# KiCad board radioboard_original.kicad_pcb (continued)
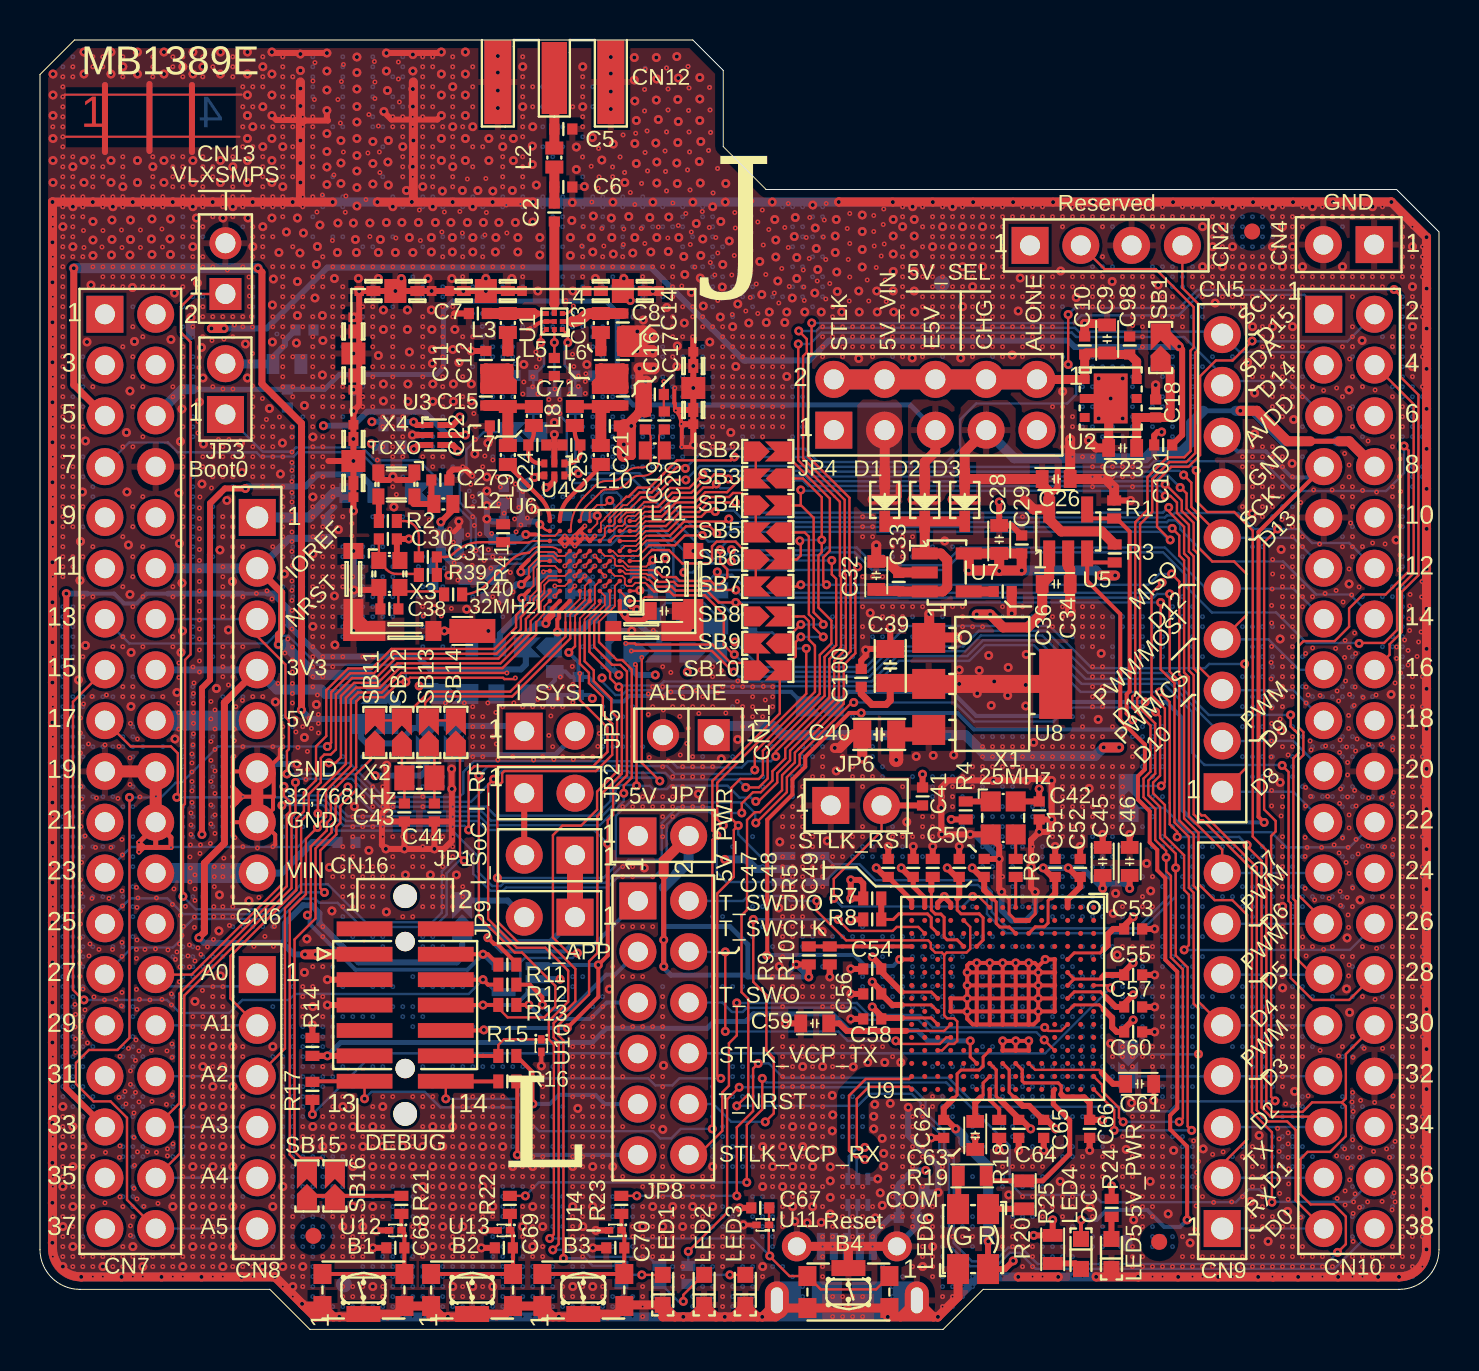
[diagram p0: board, top side]
## Routing (per net, layer and track width the routed paths; a pad name or vN(x,y) marks a point on that pad's centre or on a via; arc(x,y) is an arc through that point) (continued)
v3(19.14,17.64) v3(19.14,17.14) v3(19.14,15.64) v3(19.14,15.14) v3(19.14,13.14) v3(19.14,12.64) v3(19.14,11.14) v3(19.14,10.14) v3(19.14,9.64) v3(19.14,8.64) v3(19.14,8.14) v3(19.14,7.64) v3(19.14,6.64) v3(19.14,6.14) v3(19.14,5.64) v3(19.14,4.64) v3(19.14,4.14) v3(19.14,3.64) v3(19.14,3.14) v3(19.14,2.64) v3(19.14,2.14) v3(19.14,1.64) v3(19.14,1.14) v3(19.14,0.64) v3(19.64,63.64) v3(19.64,63.14) v3(19.64,62.14) v3(19.64,61.14) v3(19.64,60.14) v3(19.64,59.14) v3(19.64,58.64) v3(19.64,58.14) v3(19.64,57.64) v3(19.64,57.14) v3(19.64,56.64) v3(19.64,44.64) v3(19.64,44.14) v3(19.64,43.64) v3(19.64,40.64) v3(19.64,36.64) v3(19.64,27.64) v3(19.64,27.14) v3(19.64,22.14) v3(19.64,21.64) v3(19.64,21.14) v3(19.64,19.64) v3(19.64,19.14) v3(19.64,17.64) v3(19.64,17.14) v3(19.64,15.14) v3(19.64,12.64) v3(19.64,12.14) v3(19.64,10.64) v3(19.64,9.64) v3(19.64,9.14) v3(19.64,8.64) v3(19.64,7.64) v3(19.64,7.14) v3(19.64,6.64) v3(19.64,5.64) v3(19.64,5.14) v3(19.64,4.64) v3(19.64,3.64) v3(19.64,3.14) v3(19.64,2.64) v3(19.64,2.14) v3(19.64,1.64) v3(19.64,1.14) v3(19.64,0.64) v3(20.14,60.14) v3(20.14,56.14) v3(20.14,54.64) v3(20.14,54.14) v3(20.14,53.64) v3(20.14,52.14) v3(20.14,51.64) v3(20.14,47.14) v3(20.14,46.64) v3(20.14,46.14) v3(20.14,45.64) v3(20.14,44.14) v3(20.14,43.64) v3(20.14,43.14) v3(20.23,38.07) v3(20.14,37.14) v3(20.14,34.14) v3(20.14,27.64) v3(20.14,27.14) v3(20.14,23.64) v3(20.14,19.14) v3(20.14,17.64) v3(20.14,17.14) v3(20.14,16.14) v3(20.14,15.14) v3(20.14,12.14) v3(20.14,10.64) v3(20.14,10.14) v3(20.14,9.64) v3(20.14,8.64) v3(20.14,8.14) v3(20.14,7.64) v3(20.14,6.64) v3(20.14,6.14) v3(20.14,5.64) v3(20.14,4.64) v3(20.14,4.14) v3(20.14,3.64) v3(20.14,3.14) v3(20.14,2.64) v3(20.14,2.14) v3(20.14,1.64) v3(20.14,1.14) v3(20.64,63.64) v3(20.64,63.14) v3(20.64,62.64) v3(20.64,61.64) v3(20.64,61.14) v3(20.64,60.64) v3(20.64,59.64) v3(20.64,59.14) v3(20.64,58.64) v3(20.64,57.64) v3(20.64,57.14) v3(20.64,45.14) v3(20.64,43.14) v3(20.64,42.64) v3(20.64,34.64) v3(20.64,34.14) v3(20.64,33.64) v3(20.64,17.64) v3(20.64,17.14) v3(20.64,16.14) v3(20.64,15.14) v3(20.64,13.14) v3(20.64,10.64) v3(20.64,9.64) v3(20.64,9.14) v3(20.64,8.64) v3(20.64,7.64) v3(20.64,7.14) v3(20.64,6.64) v3(20.64,5.64) v3(20.64,5.14) v3(20.64,4.64) v3(20.64,3.64) v3(20.64,3.14) v3(20.64,2.64) v3(20.64,1.64) v3(20.64,1.14) v3(21.1,50.8) v3(21.14,60.14) v3(21.14,56.14) v3(21.14,54.64) v3(21.14,54.14) v3(21.14,53.64) v3(21.14,52.64) v3(21.14,49.64) v3(21.14,49.14) v3(21.14,47.64) v3(21.14,46.64) v3(21.14,36.64) v3(21.14,35.14) v3(21.14,17.64) v3(21.14,17.14) v3(21.14,16.14) v3(21.14,15.14) v3(21.14,13.14) v3(21.14,10.64) v3(21.14,10.14) v3(21.14,9.64) v3(21.14,8.64) v3(21.14,8.14) v3(21.14,7.64) v3(21.14,6.64) v3(21.14,6.14) v3(21.14,5.64) v3(21.14,4.64) v3(21.14,4.14) v3(21.14,3.64) v3(21.14,3.14) v3(21.14,2.64) v3(21.14,2.14) v3(21.14,1.64) v3(21.14,1.14) v3(21.14,0.64) v3(21.48,41.92) v3(21.62,50.8) v3(21.64,63.14) v3(21.64,62.14) v3(21.64,61.14) v3(21.64,59.14) v3(21.64,58.14) v3(21.64,56.64) v3(21.64,52.14) v3(21.64,50.14) v3(21.64,49.64) v3(21.64,48.14) v3(21.73,41.4) v3(21.64,36.64) v3(21.64,17.64) v3(21.64,16.14) v3(21.64,15.14) v3(21.64,13.14) v3(21.64,10.64) v3(21.64,9.64) v3(21.64,9.14) v3(21.64,8.64) v3(21.64,7.64) v3(21.64,7.14) v3(21.64,6.64) v3(21.64,5.64) v3(21.64,5.14) v3(21.64,4.64) v3(21.64,3.64) v3(21.64,3.14) v3(21.64,2.64) v3(21.64,1.64) v3(21.64,1.14) v3(21.64,0.64) v3(21.83,42.45) v3(22.12,50.8) v3(22.12,50.15) v3(22.14,59.14) v3(22.14,56.14) v3(22.14,54.64) v3(22.14,54.14) v3(22.14,53.64) v3(22.15,49.65) v3(22.14,49.14) v3(22.14,48.64) v3(22.14,48.14) v3(22.14,47.64) v3(22.14,47.14) v3(22.14,46.64) v3(22.14,13.14) v3(22.14,10.64) v3(22.14,10.14) v3(22.14,9.64) v3(22.14,8.64) v3(22.14,8.14) v3(22.14,7.64) v3(22.14,6.64) v3(22.14,6.14) v3(22.14,5.64) v3(22.14,3.14) v3(22.14,2.64) v3(22.14,2.14) v3(22.14,1.64) v3(22.14,1.14) v3(22.14,0.64) v3(22.65,50.8) v3(22.67,50.15) v3(22.65,49.65) v3(22.64,49.14) v3(22.64,48.64) v3(22.64,48.14) v3(22.64,47.64) v3(22.64,47.14) v3(22.64,46.64) v3(22.64,43.64) v3(22.64,13.14) v3(22.64,10.64) v3(22.64,9.64) v3(22.64,9.14) v3(22.64,8.64) v3(22.64,7.64) v3(22.64,7.14) v3(22.64,6.64) v3(22.64,5.64) v3(22.64,4.64) v3(22.64,4.14) v3(22.64,3.64) v3(22.64,3.14) v3(22.64,2.64) v3(22.64,1.64) v3(22.64,1.14) v3(22.64,0.64) v3(23.12,50.8) v3(23.14,59.64) v3(23.14,58.64) v3(23.14,58.14) v3(23.14,57.64) v3(23.14,57.14) v3(23.14,56.64) v3(23.14,56.14) v3(23.14,54.14) v3(23.14,52.14) v3(23.14,50.14) v3(23.14,49.64) v3(23.14,49.14) v3(23.14,48.64) v3(23.14,48.14) v3(23.14,47.64) v3(23.14,47.14) v3(23.14,46.64) v3(23.14,43.64) v3(23.14,35.64) v3(23.14,13.14) v3(23.14,10.64) v3(23.14,10.14) v3(23.14,9.64) v3(23.14,8.64) v3(23.14,8.14) v3(23.14,7.64) v3(23.14,7.14) v3(23.14,6.64) v3(23.14,6.14) v3(23.14,5.64) v3(23.14,5.14) v3(23.14,4.64) v3(23.14,4.14) v3(23.14,3.64) v3(23.14,3.14) v3(23.14,2.64) v3(23.14,2.14) v3(23.14,1.64) v3(23.14,1.14) v3(23.14,0.64) v3(23.65,50.8) v3(23.64,50.14) v3(23.64,49.64) v3(23.64,49.14) v3(23.64,48.64) v3(23.64,47.14) v3(23.64,46.64) v3(23.64,43.64) v3(23.64,43.14) v3(23.64,36.14) v3(23.64,13.14) v3(23.64,10.64) v3(23.64,10.14) v3(23.64,9.64) v3(23.64,9.14) v3(23.64,7.64) v3(23.64,7.14) v3(23.64,6.64) v3(23.64,6.14) v3(23.64,5.64) v3(23.64,5.14) v3(23.64,4.64) v3(23.64,4.14) v3(23.64,3.64) v3(23.64,3.14) v3(23.64,2.64) v3(23.64,2.14) v3(23.64,1.64) v3(23.64,1.14) v3(23.64,0.64) v3(23.77,48.29) v3(24.14,63.64) v3(24.14,62.64) v3(24.14,62.14) v3(24.14,61.64) v3(24.14,60.64) v3(24.14,60.14) v3(24.14,59.64) v3(24.14,58.64) v3(24.14,58.14) v3(24.14,57.64) v3(24.14,57.14) v3(24.14,56.64) v3(24.14,56.14) v3(24.14,52.64) v3(24.14,52.14) v3(24.15,50.8) v3(24.14,50.14) v3(24.14,43.64) v3(24.14,43.14) v3(24.14,13.14) v3(24.14,10.14) v3(24.14,9.64) v3(24.14,9.14) v3(24.14,8.14) v3(24.14,7.64) v3(24.14,7.14) v3(24.14,6.14) v3(24.14,5.64) v3(24.14,4.64) v3(24.14,4.14) v3(24.14,3.64) v3(24.14,3.14) v3(24.14,2.64) v3(24.14,2.14) v3(24.14,1.64) v3(24.14,1.14) v3(24.14,0.64) v3(24.64,62.14) v3(24.64,61.14) v3(24.65,50.8) v3(24.64,50.14) v3(24.64,43.14) v3(24.64,9.64) v3(24.64,9.14) v3(24.64,7.64) v3(24.64,5.64) v3(24.64,5.14) v3(24.64,4.64) v3(24.64,3.64) v3(24.64,3.14) v3(24.64,2.64) v3(24.64,2.14) v3(24.64,1.64) v3(24.64,1.14) v3(24.64,0.64) v3(25.14,62.14) v3(25.14,61.14) v3(25.14,60.14) v3(25.14,59.14) v3(25.14,56.64) v3(25.14,56.14) v3(25.14,54.14) v3(25.15,50.8) v3(25.14,50.14) v3(25.14,41.64) v3(25.14,11.64) v3(25.14,10.64) v3(25.14,9.14) v3(25.14,8.14) v3(25.14,6.64) v3(25.14,6.14) v3(25.14,5.64) v3(25.14,4.14) v3(25.14,3.64) v3(25.14,3.14) v3(25.14,2.64) v3(25.14,2.14) v3(25.14,1.64) v3(25.14,1.14) v3(25.14,0.64) v3(25.64,63.64) v3(25.64,63.14) v3(25.64,62.64) v3(25.64,61.64) v3(25.64,61.14) v3(25.64,60.64) v3(25.64,59.64) v3(25.64,59.14) v3(25.64,58.64) v3(25.64,57.64) v3(25.64,55.64) v3(25.64,55.14) v3(25.64,54.64) v3(25.64,54.14) v3(25.64,53.64) v3(25.64,52.64) v3(25.64,52.14) v3(25.65,50.8) v3(25.64,50.14) v3(25.64,44.14) v3(25.64,43.64) v3(25.64,41.64) v3(25.64,41.14) v3(25.64,40.64) v3(25.64,40.14) v3(25.64,13.14) v3(25.64,10.64) v3(25.64,9.14) v3(25.64,8.14) v3(25.64,6.64) v3(25.64,6.14) v3(25.64,5.64) v3(25.64,5.14) v3(25.64,3.14) v3(25.64,2.64) v3(25.64,2.14) v3(25.64,1.64) v3(25.64,1.14) v3(26.14,63.14) v3(26.14,62.14) v3(26.14,61.14) v3(26.14,60.14) v3(26.14,59.14) v3(26.14,56.64) v3(26.14,56.14) v3(26.14,55.64) v3(26.14,55.14) v3(26.14,54.14) v3(26.14,52.64) v3(26.14,52.14) v3(26.15,50.8) v3(26.14,50.14) v3(26.14,42.14) v3(26.14,41.64) v3(26.14,16.64) v3(26.14,13.14) v3(26.14,11.14) v3(26.14,10.64) v3(26.14,9.14) v3(26.14,8.14) v3(26.14,6.64) v3(26.14,6.14) v3(26.14,5.64) v3(26.14,5.14) v3(26.14,2.64) v3(26.14,2.14) v3(26.14,1.64) v3(26.14,1.14) v3(26.64,61.14) v3(26.64,52.64) v3(26.65,50.8) v3(26.64,50.14) v3(26.64,41.64) v3(26.64,17.64) v3(26.64,17.14) v3(26.64,13.14) v3(26.64,10.64) v3(26.64,9.14) v3(26.64,6.64) v3(26.64,5.64) v3(26.64,5.14) v3(26.64,3.14) v3(26.64,2.64) v3(26.64,1.64) v3(26.64,1.14) v3(26.64,0.64) v3(27.14,62.64) v3(27.14,62.14) v3(27.14,61.64) v3(27.14,60.64) v3(27.14,60.14) v3(27.14,59.64) v3(27.14,58.64) v3(27.14,57.64) v3(27.14,56.14) v3(27.14,55.64) v3(27.14,55.14) v3(27.14,54.14) v3(27.14,53.64) v3(27.14,52.64) v3(27.14,52.14) v3(27.17,50.8) v3(27.14,50.14) v3(27.14,45.14) v3(27.14,41.64) v3(27.14,38.64) v3(27.14,38.14) v3(27.14,37.64) v3(27.14,37.14) v3(27.14,36.64) v3(27.14,36.14) v3(27.14,34.14) v3(27.14,17.64) v3(27.14,13.14) v3(27.14,10.64) v3(27.14,9.14) v3(27.14,8.14) v3(27.14,6.64) v3(27.14,6.14) v3(27.14,5.64) v3(27.14,3.14) v3(27.14,2.64) v3(27.14,2.14) v3(27.14,1.64) v3(27.14,1.14) v3(27.14,0.64) v3(27.64,62.14) v3(27.64,61.14) v3(27.64,56.64) v3(27.64,55.14) v3(27.65,50.82) v3(27.64,50.14) v3(27.64,49.64) v3(27.64,49.14) v3(27.64,46.64) v3(27.64,46.14) v3(27.64,45.64) v3(27.64,45.14) v3(27.64,44.64) v3(27.64,44.14) v3(27.64,43.64) v3(27.64,43.14) v3(27.64,42.14) v3(27.64,41.64) v3(27.64,38.64) v3(27.64,38.14) v3(27.64,37.64) v3(27.64,37.14) v3(27.64,36.64) v3(27.64,36.14) v3(27.64,34.14) v3(27.64,16.14) v3(27.64,13.14) v3(27.64,11.14) v3(27.64,10.64) v3(27.64,9.14) v3(27.64,6.64) v3(27.64,5.64) v3(27.64,2.64) v3(27.64,1.64) v3(27.64,1.14) v3(27.64,0.64) v3(27.94,59.06) v3(27.97,57.64) v3(28.14,56.64) v3(28.14,56.14) v3(28.14,55.64) v3(28.14,55.14) v3(28.14,53.64) v3(28.14,52.14) v3(28.15,50.8) v3(28.14,50.14) v3(28.14,49.64) v3(28.14,49.14) v3(28.14,48.64) v3(28.14,48.14) v3(28.14,47.14) v3(28.14,46.64) v3(28.14,46.14) v3(28.14,45.64) v3(28.14,45.14) v3(28.14,44.64) v3(28.14,44.14) v3(28.14,43.64) v3(28.14,43.14) v3(28.14,40.14) v3(28.14,38.64) v3(28.14,38.14) v3(28.14,37.64) v3(28.14,37.14) v3(28.14,36.64) v3(28.14,33.64) v3(28.14,33.14) v3(28.14,31.14) v3(28.14,29.64) v3(28.14,29.14) v3(28.14,16.64) v3(28.14,13.14) v3(28.14,10.64) v3(28.14,9.14) v3(28.14,8.14) v3(28.14,6.64) v3(28.14,6.14) v3(28.14,5.64) v3(28.14,4.14) v3(28.14,2.64) v3(28.14,2.14) v3(28.14,1.64) v3(28.14,1.14) v3(28.14,0.64) v3(28.64,58.14) v3(28.64,57.64) v3(28.64,57.14) v3(28.64,55.14) v3(28.64,52.64) v3(28.64,52.14) v3(28.64,46.64) v3(28.64,46.14) v3(28.64,45.64) v3(28.64,45.14) v3(28.64,44.64) v3(28.64,44.14) v3(28.64,43.64) v3(28.64,43.14) v3(28.64,38.64) v3(28.64,38.14) v3(28.64,37.64) v3(28.64,37.14) v3(28.64,36.64) v3(28.64,36.14) v3(28.64,33.64) v3(28.64,33.14) v3(28.64,30.64) v3(28.64,29.64) v3(28.64,29.14) v3(28.64,13.14) v3(28.64,11.64) v3(28.64,10.64) v3(28.64,9.14) v3(28.64,6.64) v3(28.64,6.14) v3(28.64,5.64) v3(28.64,5.14) v3(28.64,4.14) v3(28.64,1.64) v3(28.64,1.14) v3(28.64,0.64) v3(29.02,58.64) v3(29.17,59.74) v3(29.14,56.64) v3(29.14,56.14) v3(29.14,55.14) v3(29.14,54.64) v3(29.14,54.14) v3(29.14,53.64) v3(29.14,46.14) v3(29.14,45.64) v3(29.14,43.14) v3(29.14,42.14) v3(29.14,39.14) v3(29.14,38.64) v3(29.14,37.14) v3(29.14,30.64) v3(29.14,29.64) v3(29.14,29.14) v3(29.14,6.64) v3(29.14,6.14) v3(29.14,5.64) v3(29.14,5.14) v3(29.14,4.14) v3(29.14,1.64) v3(29.14,1.14) v3(29.14,0.64) v3(29.24,57.86) v3(29.64,55.14) v3(29.64,52.14) v3(29.64,50.64) v3(29.64,47.64) v3(29.64,47.14) v3(29.64,44.64) v3(29.64,43.14) v3(29.64,41.64) v3(29.64,41.14) v3(29.64,40.64) v3(29.64,38.64) v3(29.64,31.14) v3(29.64,29.64) v3(29.64,29.14) v3(29.64,6.14) v3(29.64,5.64) v3(29.64,5.14) v3(29.64,4.14) v3(29.64,1.64) v3(29.64,1.14) v3(29.64,0.64) v3(30.09,57.31) v3(30.14,56.64) v3(30.14,56.14) v3(30.14,55.14) v3(30.14,52.64) v3(30.14,52.14) v3(30.14,51.64) v3(30.14,51.14) v3(30.14,46.64) v3(30.14,45.64) v3(30.14,45.14) v3(30.14,44.64) v3(30.14,44.14) v3(30.14,43.64) v3(30.14,43.14) v3(30.14,41.14) v3(30.14,40.64) v3(30.14,29.14) v3(30.14,6.14) v3(30.14,5.64) v3(30.14,4.14) v3(30.14,2.14) v3(30.14,1.64) v3(30.14,1.14) v3(30.14,0.64) v3(30.27,63.06) v3(30.24,62.01) v3(30.24,60.94) v3(30.27,58.86) v3(30.37,59.94) v3(30.39,57.94) v3(30.64,55.14) v3(30.64,51.14) v3(30.64,50.64) v3(30.64,46.64) v3(30.64,45.64) v3(30.64,45.14) v3(30.64,44.64) v3(30.64,44.14) v3(30.64,43.64) v3(30.64,43.14) v3(30.64,40.64) v3(30.64,39.14) v3(30.64,5.64) v3(30.64,5.14) v3(30.64,4.14) v3(30.64,1.64) v3(30.64,1.14) v3(30.64,0.64) v3(31.14,56.14) v3(31.14,55.14) v3(31.14,51.64) v3(31.14,50.64) v3(31.14,50.14) v3(31.14,49.64) v3(31.14,49.14) v3(31.14,48.64) v3(31.14,47.64) v3(31.14,47.14) v3(31.14,46.64) v3(31.14,45.64) v3(31.14,45.14) v3(31.14,44.64) v3(31.14,44.14) v3(31.14,43.64) v3(31.14,43.14) v3(31.14,39.14) v3(31.14,17.14) v3(31.14,16.64) v3(31.14,16.14) v3(31.14,15.64) v3(31.14,14.64) v3(31.14,14.14) v3(31.14,6.14) v3(31.14,5.64) v3(31.14,4.14) v3(31.14,1.64) v3(31.14,1.14) v3(31.14,0.64) v3(31.27,58.94) v3(31.29,57.91) v3(31.34,63.09) v3(31.42,62.04) v3(31.42,60.99) v3(31.34,59.89) v3(31.34,56.94) v3(31.64,55.14) v3(31.64,53.14) v3(31.64,50.64) v3(31.64,50.14) v3(31.64,49.64) v3(31.64,48.64) v3(31.64,47.64) v3(31.64,47.14) v3(31.64,46.64) v3(31.64,45.64) v3(31.64,45.14) v3(31.64,44.64) v3(31.64,44.14) v3(31.64,43.64) v3(31.64,43.14) v3(31.64,5.64) v3(31.64,5.14) v3(31.64,4.14) v3(31.64,3.64) v3(31.64,3.14) v3(31.64,2.64) v3(31.64,2.14) v3(31.64,1.14) v3(31.64,0.64) v3(32.14,56.14) v3(32.14,55.64) v3(32.14,55.14) v3(32.14,54.14) v3(32.14,49.64) v3(32.14,48.64) v3(32.14,47.64) v3(32.14,47.14) v3(32.14,46.64) v3(32.14,45.64) v3(32.14,45.14) v3(32.14,44.64) v3(32.14,44.14) v3(32.14,43.64) v3(32.14,31.14) v3(32.14,6.14) v3(32.14,5.64) v3(32.42,63.16) v3(32.39,57.99) v3(32.47,62.09) v3(32.44,60.96) v3(32.47,59.89) v3(32.49,58.89) v3(32.52,56.99) v3(32.64,54.64) v3(32.64,53.14) v3(32.64,49.64) v3(32.64,49.14) v3(32.64,47.64) v3(32.64,45.64) v3(32.64,45.14) v3(32.64,28.64) v3(32.64,5.64) v3(32.64,5.14) v3(32.64,1.64) v3(32.64,1.14) v3(33.14,56.14) v3(33.14,55.64) v3(33.14,53.14) v3(33.14,49.14) v3(33.14,48.64) v3(33.14,47.64) v3(33.14,47.14) v3(33.14,46.64) v3(33.14,45.64) v3(33.14,45.14) v3(33.14,44.64) v3(33.14,28.64) v3(33.14,6.14) v3(33.14,5.64) v3(33.14,5.14) v3(33.14,4.14) v3(33.14,3.64) v3(33.14,3.14) v3(33.14,2.14) v3(33.14,1.64) v3(33.14,1.14) v3(33.14,0.64) v3(33.49,62.11) v3(33.52,60.99) v3(33.44,58.96) v3(33.54,59.86) v3(33.67,56.84) v3(33.64,55.64) v3(33.64,55.14) v3(33.64,54.64) v3(33.64,54.14) v3(33.64,53.64) v3(33.64,53.14) v3(33.64,52.64) v3(33.64,52.14) v3(33.64,51.14) v3(33.64,48.64) v3(33.64,48.14) v3(33.64,47.64) v3(33.64,47.14) v3(33.64,46.64) v3(33.64,45.64) v3(33.64,45.14) v3(33.64,44.64) v3(33.64,20.64) v3(33.64,17.14) v3(33.64,12.14) v3(33.64,11.64) v3(33.64,10.64) v3(33.64,9.14) v3(33.64,8.64) v3(33.64,5.64) v3(33.64,5.14) v3(33.64,4.14) v3(33.64,3.64) v3(33.64,3.14) v3(33.64,2.14) v3(33.64,1.64) v3(33.64,1.14) v3(33.64,0.64) v3(33.89,58.06) v3(34.14,54.14) v3(34.14,52.64) v3(34.14,51.64) v3(34.14,48.64) v3(34.14,48.14) v3(34.14,47.64) v3(34.14,47.14) v3(34.14,46.64) v3(34.14,45.64) v3(34.14,45.14) v3(34.14,20.64) v3(34.14,17.14) v3(34.14,11.64) v3(34.14,10.14) v3(34.14,9.64) v3(34.14,9.14) v3(34.14,8.64) v3(34.14,8.14) v3(34.14,6.14) v3(34.14,5.64) v3(34.14,5.14) v3(34.14,4.14) v3(34.14,3.64) v3(34.14,3.14) v3(34.14,2.14) v3(34.14,1.64) v3(34.14,1.14) v3(34.64,52.14) v3(34.64,51.64) v3(34.64,50.64) v3(34.64,47.64) v3(34.64,47.14) v3(34.64,46.64) v3(34.64,45.64) v3(34.64,31.14) v3(34.64,28.64) v3(34.64,24.14) v3(34.64,17.14) v3(34.64,13.14) v3(34.64,12.64) v3(34.64,11.64) v3(34.64,9.64) v3(34.64,9.14) v3(34.64,8.64) v3(34.64,8.14) v3(34.64,5.64) v3(34.64,5.14) v3(34.64,4.14) v3(34.64,3.64) v3(34.64,2.14) v3(34.64,1.64) v3(34.64,1.14) v3(35.14,56.81) v3(35.14,51.64) v3(35.14,49.64) v3(35.14,47.64) v3(35.14,47.14) v3(35.14,46.64) v3(35.14,45.64) v3(35.14,45.14) v3(35.14,44.64) v3(35.14,31.14) v3(35.14,17.14) v3(35.14,13.14) v3(35.14,12.64) v3(35.14,11.64) v3(35.14,9.64) v3(35.14,9.14) v3(35.14,8.64) v3(35.14,8.14) v3(35.14,4.14) v3(35.14,3.64) v3(35.14,3.14) v3(35.14,2.64) v3(35.14,2.14) v3(35.14,1.64) v3(35.14,1.14) v3(35.14,0.64) v3(35.64,52.14) v3(35.64,51.64) v3(35.64,51.14) v3(35.64,49.64) v3(35.64,49.14) v3(35.64,47.64) v3(35.64,47.14) v3(35.64,46.64) v3(35.64,45.64) v3(35.64,45.14) v3(35.64,44.64) v3(35.64,24.64) v3(35.64,23.14) v3(35.64,21.14) v3(35.64,19.64) v3(35.64,12.64) v3(35.64,11.64) v3(35.64,9.64) v3(35.64,9.14) v3(35.64,8.64) v3(35.64,8.14) v3(35.64,6.64) v3(35.64,6.14) v3(35.64,5.64) v3(35.64,5.14) v3(35.64,3.64) v3(35.64,3.14) v3(35.64,2.64) v3(35.64,2.14) v3(35.64,1.64) v3(35.64,1.14) v3(35.64,0.64) v3(36.14,49.64) v3(36.14,49.14) v3(36.14,47.64) v3(36.14,47.14) v3(36.14,46.64) v3(36.14,45.64) v3(36.14,45.14) v3(36.14,44.64) v3(36.14,27.64) v3(36.14,27.14) v3(36.14,23.14) v3(36.14,21.14) v3(36.14,20.14) v3(36.14,11.64) v3(36.14,9.64) v3(36.14,8.64) v3(36.14,8.14) v3(36.14,7.64) v3(36.14,6.64) v3(36.14,6.14) v3(36.14,5.64) v3(36.14,5.14) v3(36.14,4.64) v3(36.14,2.64) v3(36.64,51.64) v3(36.64,49.64) v3(36.64,49.14) v3(36.64,47.64) v3(36.64,47.14) v3(36.64,46.64) v3(36.64,45.64) v3(36.64,45.14) v3(36.64,31.14) v3(36.64,29.14) v3(36.64,19.14) v3(36.64,17.14) v3(36.64,16.64) v3(36.64,11.64) v3(36.64,9.64) v3(36.64,9.14) v3(36.64,8.64) v3(36.64,7.64) v3(36.64,7.14) v3(36.64,6.64) v3(36.64,6.14) v3(36.64,5.64) v3(36.64,5.14) v3(36.64,4.64) v3(36.64,4.14) v3(36.64,3.14) v3(37.14,56.14) v3(37.14,51.64) v3(37.14,49.64) v3(37.14,49.14) v3(37.14,47.14) v3(37.14,46.64) v3(37.14,45.64) v3(37.14,19.64) v3(37.14,19.14) v3(37.14,17.14) v3(37.14,16.64) v3(37.14,13.14) v3(37.14,11.64) v3(37.14,10.64) v3(37.14,10.14) v3(37.14,9.64) v3(37.14,8.64) v3(37.14,8.14) v3(37.14,7.64) v3(37.14,6.64) v3(37.14,6.14) v3(37.14,5.64) v3(37.14,5.14) v3(37.14,3.14) v3(37.64,56.14) v3(37.64,55.14) v3(37.64,54.14) v3(37.64,53.14) v3(37.64,52.14) v3(37.64,47.14) v3(37.64,46.64) v3(37.64,44.64) v3(37.64,27.64) v3(37.64,27.14) v3(37.64,26.64) v3(37.64,26.14) v3(37.64,25.64) v3(37.64,25.14) v3(37.64,24.64) v3(37.64,20.14) v3(37.64,19.64) v3(37.64,19.14) v3(37.64,17.14) v3(37.64,16.64) v3(37.64,13.14) v3(37.64,11.64) v3(37.64,10.64) v3(37.64,9.64) v3(37.64,9.14) v3(37.64,8.64) v3(37.64,7.64) v3(37.64,7.14) v3(37.64,6.64) v3(37.64,2.64) v3(38.14,56.14) v3(38.14,55.14) v3(38.14,54.64) v3(38.14,54.14) v3(38.14,53.14) v3(38.14,52.14) v3(38.14,51.64) v3(38.14,47.64) v3(38.14,47.14) v3(38.14,46.64) v3(38.14,45.14) v3(38.14,44.64) v3(38.14,29.14) v3(38.14,28.64) v3(38.14,28.14) v3(38.14,20.14) v3(38.14,19.64) v3(38.14,19.14) v3(38.14,11.64) v3(38.14,10.64) v3(38.14,10.14) v3(38.14,9.64) v3(38.14,8.64) v3(38.14,8.14) v3(38.14,7.64) v3(38.14,6.64) v3(38.14,6.14) v3(38.14,2.64) v3(38.14,2.14) v3(38.14,1.64) v3(38.14,1.14) v3(38.14,0.64) v3(38.64,55.64) v3(38.64,54.64) v3(38.64,53.64) v3(38.64,52.64) v3(38.64,51.14) v3(38.64,29.14) v3(38.64,28.64) v3(38.64,24.14) v3(38.64,20.14) v3(38.64,19.64) v3(38.64,19.14) v3(38.64,18.14) v3(38.64,13.14) v3(38.64,11.64) v3(38.64,10.64) v3(38.64,9.64) v3(38.64,9.14) v3(38.64,8.64) v3(38.64,7.64) v3(38.64,7.14) v3(38.64,6.64) v3(39.14,56.14) v3(39.14,55.64) v3(39.14,54.64) v3(39.14,53.64) v3(39.14,52.64) v3(39.14,52.14) v3(39.14,51.64) v3(39.14,29.14) v3(39.14,27.64) v3(39.14,19.14) v3(39.14,18.14) v3(39.14,17.14) v3(39.14,16.64) v3(39.14,11.64) v3(39.14,10.64) v3(39.14,10.14) v3(39.14,9.64) v3(39.14,9.14) v3(39.14,8.64) v3(39.14,7.14) v3(39.14,6.14) v3(39.14,3.14) v3(39.64,51.14) v3(39.64,50.64) v3(39.64,35.64) v3(39.64,35.14) v3(39.64,34.14) v3(39.64,33.64) v3(39.64,19.64) v3(39.64,19.14) v3(39.64,18.14) v3(39.64,17.14) v3(39.64,16.64) v3(39.64,13.14) v3(40.14,48.64) v3(40.14,35.64) v3(40.14,35.14) v3(40.14,34.64) v3(40.14,34.14) v3(40.14,33.64) v3(40.14,19.64) v3(40.14,19.14) v3(40.14,17.64) v3(40.14,17.14) v3(40.14,13.14) v3(40.14,11.64) v3(40.14,10.64) v3(40.14,10.14) v3(40.14,9.64) v3(40.64,35.64) v3(40.64,35.14) v3(40.64,34.64) v3(40.64,34.14) v3(40.64,33.64) v3(40.64,30.64) v3(40.64,28.14) v3(40.64,27.64) v3(40.64,23.64) v3(40.64,19.64) v3(40.64,19.14) v3(40.64,11.64) v3(40.64,10.64) v3(40.64,10.14) v3(40.64,9.64) v3(41.14,35.14) v3(41.14,34.64) v3(41.14,27.64) v3(41.14,27.14) v3(41.14,25.14) v3(41.14,24.14) v3(41.14,23.64) v3(41.14,20.14) v3(41.14,19.64) v3(41.14,19.14) v3(41.14,17.64) v3(41.14,17.14) v3(41.14,16.64) v3(41.14,10.64) v3(41.14,10.14) v3(41.64,48.64) v3(41.64,35.14) 